# KiCad board sss-opr3-v1 (1).kicad_pcb (continued)
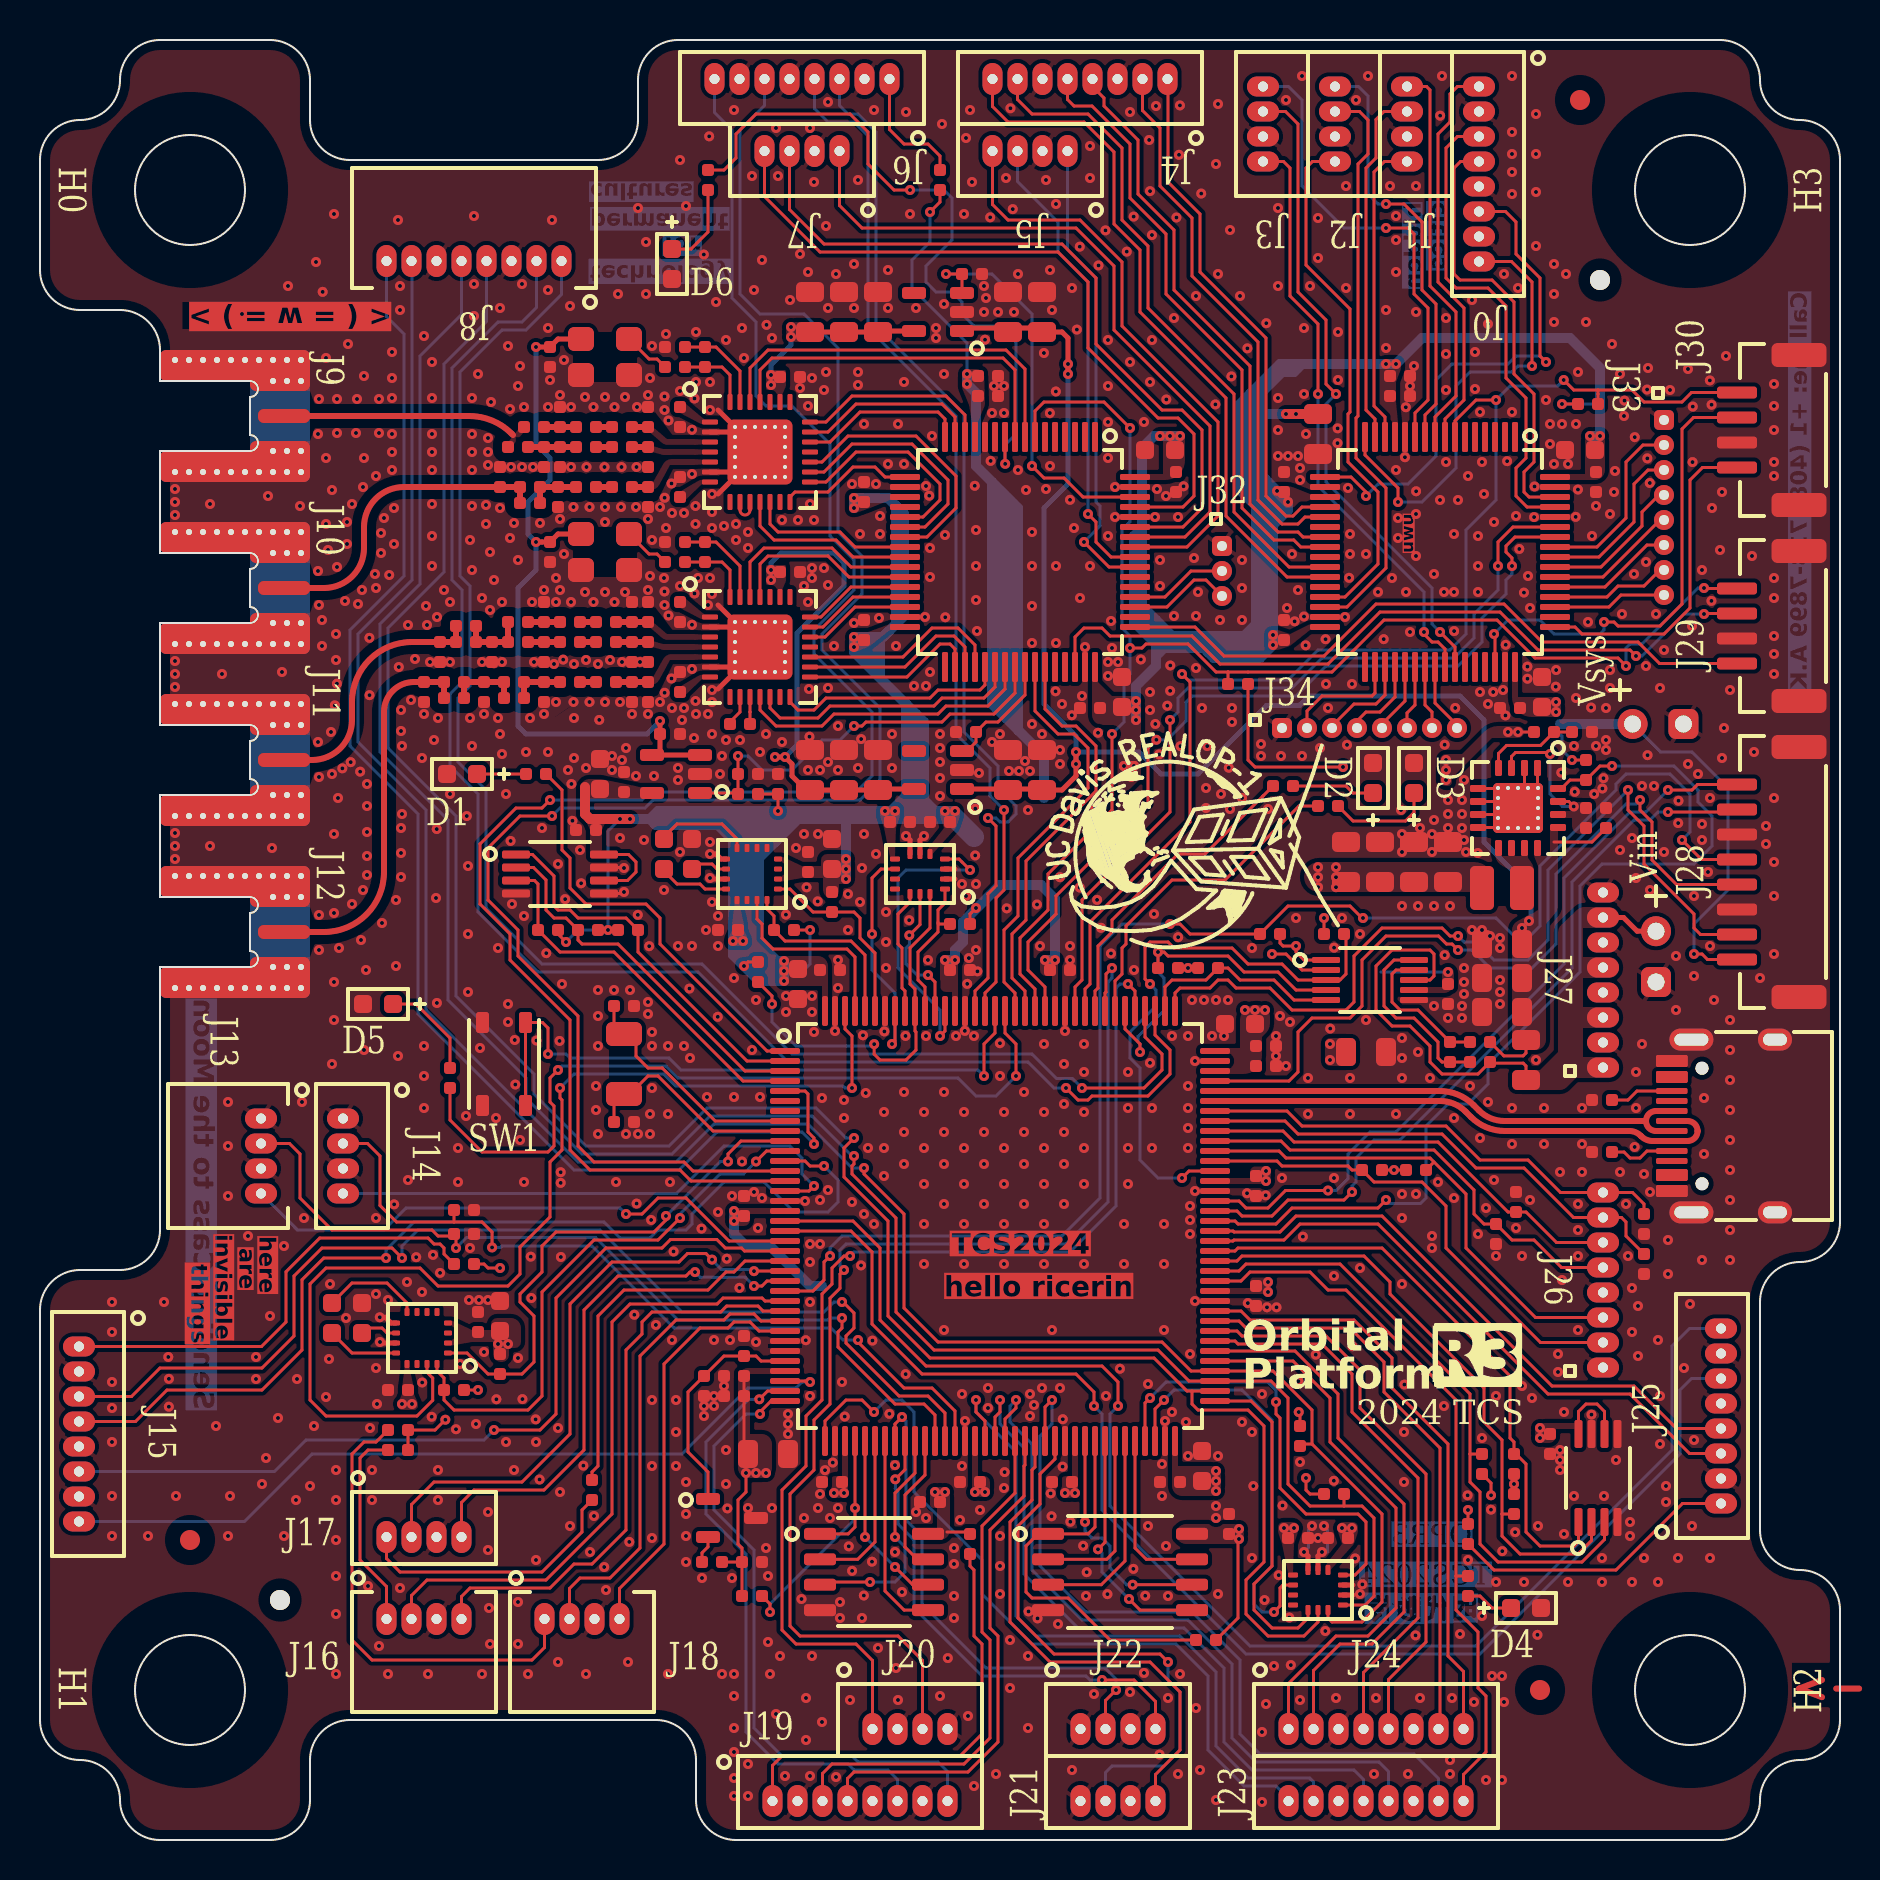
[diagram p0: board, top side]
## Routing (per net, layer and track width the routed paths; a pad name or vN(x,y) marks a point on that pad's centre or on a via; arc(x,y) is an arc through that point) (continued)
/pan5-pd0: length 23.8
  Top w0.15: U2.28 36.05,25.95 35.7,26.3 34.49,26.3 34.19,26 31.8,26 30,24.2 30,14.6 28.5,13.1 27,13.1 26.47,12.57 J18.2
/pan5-pd1: length 20.8
  Top w0.15: U2.29 35.95,25.45 35.5,25.9 34.7,25.9 34.4,25.6 33,25.6 31.2,23.8 31.2,14.8 28.97,12.57 28.97,11.05
/pg-v3v3: length 49.2
  Top w0.15: v1(78.6,53.7) 78,53.7 R59.2 76.5,53 76.08,52.58 U1.16 ; U2.91 59.75,30.95 59.9,30.8 61.8,30.8 62.6,31.6 66.9,31.6 v1(67.3,32)
  Bottom w0.15: v1(78.6,53.7) 81.7,53.7 82.9,52.5 82.9,51.9 83.6,51.2 83.6,49.7 82.7,48.8 78.1,48.8 77,47.7 77,43.4 72.4,38.8 72.4,37.8 71.4,36.8 70.4,36.8 69.3,35.7 69.3,32.1 69.02,31.82 67.47,31.82 v1(67.3,32)
/pwr-cam: length 23.9
  Top w0.15: U2.102 62.35,36.45 63.1,35.7 70.3,35.7 72,34 74.4,34 76.02,32.38 J26.8 79.62,32.38 80.2,31.8 R40.2
/pwr-hdd: length 24.6
  Top w0.15: R39.2 79.3,30.2 79.3,30.9 79.07,31.12 J26.7 76.67,31.12 74.2,33.6 71.8,33.6 70.1,35.3 62.9,35.3 62.25,35.95 U2.101
/pwr-mgt: length 21.7
  Top w0.15: J26.6 75.83,29.87 74.3,31.4 73.4,31.4 69.9,34.9 62.7,34.9 62.15,35.45 U2.100
/pwr-pyro: length 22.7
  Top w0.15: U2.99 62.05,34.95 62.5,34.5 69.7,34.5 71.7,32.5 71.7,31.3 72.2,30.8 R42.2 73.6,30 74.7,30 76.08,28.62 J26.5
/pwrdiag-scl: length 24.4
  Top w0.15: J26.2 75.02,24.87 70.3,29.6 70.3,31.7 69.1,32.9 66.7,32.9 R33.1 65.6,33.5 65.4,33.7 62.1,33.7 61.85,33.95 U2.97
/pwrdiag-sda: length 25
  Top w0.15: U2.98 61.95,34.45 62.3,34.1 69.5,34.1 71.3,32.3 71.3,29.6 74.77,26.12 J26.3 78.12,26.1 ; R34.1 69.7,33.9
/pwrmon-alm: length 29
  Top w0.15: v1(57.1,33.1) 57.45,33.45 U2.96 ; v1(55.5,42.8) 55.25,43.05 55.25,44.65 55.5,44.9 56.4,44.9 56.7,44.6 59.6,44.6 60.4,43.8 62.1,43.8 62.9,43 U12.3 65,43 65.3,43.3 65.3,45.2 R31.1
  Bottom w0.15: v1(55.5,42.8) 55.8,42.5 55.8,41.7 54.5,40.4 54.5,39.1 55,38.6 55,34 55.9,33.1 v1(57.1,33.1)
/pwrmon-scl: length 10.3
  Top w0.15: U12.5 62.7,42 61.7,43 60,43 59.4,43.6 R29.1 58.3,43 56.6,43 56.25,42.65 U2.110
/pwrmon-sda: length 18.2
  Top w0.15: 55.9,43.7 R30.1 v1(55.9,44.4) 56.2,44.4 56.4,44.2 59.4,44.2 60.2,43.4 61.9,43.4 62.8,42.5 U12.4 ; v1(55,39.4) 55,39.8 54.25,40.55 U2.114
  Bottom w0.15: v1(55.9,44.4) 55.9,43.4 56.2,43.1 56.2,41.48 54.9,40.17 54.9,39.9 55,39.8 v1(55,39.4)
/pyro0-fire: length 44
  Top w0.15: v1(20.8,29.6) 20.8,30.2 R44.2 20.6,30.2 19.9,30.2 19.6,30.5 14.6,30.5 13,32.1 13,34.3 12.47,34.83 J13.2 ; U2.48 44.75,21.25 44.2,21.8 42.75,21.8 39.9,24.65 39.9,25.4 40.1,25.6 v1(40.1,26.1)
  Bottom w0.15: v1(40.1,26.1) 39.5,26.1 39.4,26 31.9,26 27.77,30.13 21.33,30.13 v1(20.8,29.6)
/pyro0-isen: length 28.8
  Top w0.15: U2.20 34.45,29.95 32.3,32.1 30.9,32.1 30.1,31.3 v1(29.3,31.3)
  Bottom w0.15: J13.4 12.88,30.5 17.2,30.5 18.3,31.6 29,31.6 v1(29.3,31.3)
/pyro1-fire: length 40.3
  Top w0.15: J14.2 16.38,34.83 17,34.2 17,31.72 17.82,30.9 22.1,30.9 22.6,30.4 v1(22.6,29.63) ; R43.2 20.7,30.9 ; v1(40.9,25) 40.9,24.9 43.2,22.6 44.6,22.6 45.75,21.45 U2.50
  Bottom w0.15: v1(22.6,29.63) 23.03,29.63 23.1,29.7 27.6,29.7 31.7,25.6 39.55,25.6 40.15,25 v1(40.9,25)
/pyro1-isen: length 27.4
  Top w0.15: v1(38.7,32.7) 38.45,32.45 U2.15
  Bottom w0.15: J14.4 31.82,32.33 34.2,34.7 37.5,34.7 38.1,34.1 38.1,33.3 v1(38.7,32.7)
/rad0-adc1: length 18.2
  Top w0.15: U11.9 48.75,73.5 48.15,74.1 36.6,74.1 36,73.5 U10.25
/rad0-adc2: length 19.6
  Top w0.15: U11.8 49.25,73.55 48.3,74.5 36.4,74.5 35.5,73.6 U10.26
/rad0-ants: length 9.8
  Top w0.15: U10.21 39.3,70.9 40.6,72.2 45.3,72.2 46.25,71.25 U11.14
/rad0-data: length 9.1
  Top w0.15: U11.25 40.65,64.15 39.8,65 36.7,65 36,65.7 U10.11
/rad0-dclk: length 8.3
  Top w0.15: U11.24 40.75,64.65 40,65.4 36.9,65.4 36.5,65.8 U10.12
/rad0-irq: length 8.4
  Top w0.15: U11.16 45.25,71.05 44.9,71.4 41,71.4 39.5,69.9 U10.19
/rad0-miso: length 12.1
  Top w0.15: U10.16 39.2,68.4 40.6,69.8 43.6,69.8 45.4,68 45.4,66.8 44.25,65.65 U11.22
/rad0-mosi: length 13.4
  Top w0.15: U11.23 44.35,65.15 45.8,66.6 45.8,68.2 43.8,70.2 40.4,70.2 39.1,68.9 U10.17
/rad0-ncs: length 6.8
  Top w0.15: U10.14 37.5,67.15 37.75,67.4 39.4,67.4 40.65,68.65 41.75,68.65 42.25,68.15 U11.17
/rad0-pamp: length 9.1
  Top w0.15: U11.15 45.75,71.15 45.1,71.8 40.8,71.8 39.4,70.4 U10.20
/rad0-sck: length 10.7
  Top w0.15: U11.21 44.15,66.15 45,67 45,67.8 43.4,69.4 40.8,69.4 39.3,67.9 U10.15
/rad1-adc1: length 9.5
  Top w0.15: U15.25 36,63.8 36.4,64.2 39.4,64.2 40.45,63.15 U11.27
/rad1-adc2: length 10.2
  Top w0.15: U11.26 40.55,63.65 39.6,64.6 36.2,64.6 35.5,63.9 U15.26
/rad1-ants: length 5.4
  Top w0.15: U15.21 39.05,61.15 40.55,62.65 U11.28
/rad1-data: length 15.1
  Top w0.15: U15.11 36,56.5 36.8,55.7 39.1,55.7 39.7,56.3 44.9,56.3 45.3,56.7 47.4,56.7 48.25,57.55 U11.39
/rad1-dclk: length 13.6
  Top w0.15: U11.38 47.75,57.65 47.2,57.1 45.1,57.1 44.7,56.7 39.5,56.7 38.9,56.1 37,56.1 36.5,56.6 U15.12
/rad1-irq: length 5.4
  Top w0.15: U11.30 40.75,61.65 39.25,60.15 U15.19
/rad1-miso: length 9.6
  Top w0.15: U11.35 46.25,59.65 45.7,60.2 44.8,60.2 43.25,58.65 U15.16
/rad1-mosi: length 10.3
  Top w0.15: U11.36 46.75,59.75 45.9,60.6 44.6,60.6 43.15,59.15 U15.17
/rad1-ncs: length 11.6
  Top w0.15: U11.37 47.25,57.75 47,57.5 44.9,57.5 44.5,57.1 39.3,57.1 38.7,56.5 37.9,56.5 37.5,56.9 U15.14
/rad1-pamp: length 5.4
  Top w0.15: U11.29 40.65,62.15 39.15,60.65 U15.20
/rad1-sck: length 8.9
  Top w0.15: U11.34 45.75,59.55 45.5,59.8 45,59.8 43.35,58.15 U15.15
/radaux0-gp0: length 23.6
  Top w0.15: U11.55 53.45,63.65 v1(52.2,64.9)
  Bottom w0.15: J5.1 51.38,79.53 52.8,78.1 52.8,66.9 53,66.7 53,65.7 v1(52.2,64.9)
/radaux0-gp1: length 23.4
  Top w0.15: v1(52.4,66.3) 52.8,65.9 52.8,64.9 53.55,64.15 U11.56
  Bottom w0.15: J5.3 48.88,82.92 50.9,80.9 50.9,79.4 52.4,77.9 v1(52.4,66.3)
/radaux0-gp2: length 29.8
  Top w0.15: J5.4 47.62,81.78 48.4,81 52,81 54.1,78.9 54.1,75.7 58.9,70.9 58.9,66.2 57.35,64.65 U11.57
/radaux1-gp0: length 36.3
  Top w0.15: U11.58 57.25,65.15 58.5,66.4 58.5,70.7 53.7,75.5 53.7,78.7 51.8,80.6 41.1,80.6 39.97,81.73 J7.1
/radaux1-gp1: length 37.7
  Top w0.15: J7.3 37.47,81.53 39.2,79.8 51.1,79.8 52.8,78.1 52.8,74.8 56.1,71.5 57.1,71.5 58.1,70.5 58.1,66.6 57.15,65.65 U11.59
/radaux1-gp2: length 36.9
  Top w0.15: U11.61 57.15,66.65 57.7,67.2 57.7,70.3 56.9,71.1 55.9,71.1 52.4,74.6 52.4,77.9 50.9,79.4 39,79.4 36.22,82.17 J7.4
/tmp0-alm: length 18.9
  Top w0.15: 23.8,47.98 24.72,47.98 24.9,47.8 R25.1 26,44.4 28.7,44.4 35.15,37.95 U2.4
/tmp0-scl: length 18.8
  Top w0.15: U19.2 24.67,48.62 25.3,48 25.3,46.5 25.7,46.1 26.3,46.1 R32.1 26.9,45 27.1,44.8 28.9,44.8 35.25,38.45 U2.3
/tmp0-sda: length 19.2
  Top w0.15: U2.2 35.35,38.95 29.9,44.4 R27.1 29.3,46.1 26.9,46.1 26.5,46.5 25.9,46.5 25.7,46.7 25.7,48.2 24.62,49.28 23.8,49.28
/tmp1-alm: length 31.8
  Top w0.15: 71.5,19.3 71.5,17.9 72,17.4 72,14.8 72.9,13.9 77.1,13.9 78.22,15.03 U18.3 ; 71.5,19.3 R38.1 ; 71.5,19.3 71.5,22.3 65,28.8 60.3,28.8 59.95,28.45 U2.86
/tmp1-scl: length 31.1
  Top w0.15: U18.2 77.57,14.97 76.9,14.3 74,14.3 73.1,15.2 73.1,16.3 ; R36.1 73.1,16.3 ; 73.1,16.3 73.1,20 72.2,20.9 72.2,22.6 67.5,27.3 67.5,27.9 66.2,29.2 60.1,29.2 59.85,28.95 U2.87
/tmp1-sda: length 29.6
  Top w0.15: U18.1 76.92,14.93 76.7,14.7 75,14.7 74.3,15.4 74.3,18.8 73.8,19.3 R37.1 73.7,19.9 73.5,20.1 73.5,23.2 67.1,29.6 59.9,29.6 59.75,29.45 U2.88
/usb-dm: length 26.6
  Top w0.3: U2.103 70,36.95 arc(70.69,36.81) 71.28,36.42 71.55,36.15 arc(72.33,35.63) 73.24,35.45 79.47,35.45 arc(79.77,35.39) 80.03,35.22 80.07,35.18 arc(80.33,35.01) 80.63,34.95 J38.B7 82.38,34.95 arc(82.73,35.1) 82.88,35.45 arc(82.73,35.8) 82.38,35.95 J38.A7
/usb-dp: length 25.1
  Top w0.3: J38.B6 80.8,36.45 arc(80.45,36.3) 80.3,35.95 ; 80.3,35.95 73.22,35.95 arc(72.53,36.09) 71.95,36.48 71.68,36.75 arc(70.9,37.27) 69.98,37.45 U2.104 ; 80.3,35.95 arc(80.45,35.6) 80.8,35.45 J38.A6
Net-(C11-Pad1): length 2.6
  Top w0.3: L4.1 C11.1 L8.1
Net-(C12-Pad1): length 1.6
  Top w0.3: L5.1 L3.1
Net-(C13-Pad2): length 2.4
  Top w0.3: L6.1 C9.1
Net-(C17-Pad2): length 0.8
  Top w0.3: C17.2 L5.2
Net-(C18-Pad2): length 0.8
  Top w0.3: C18.2 L6.2
Net-(C20-Pad2): length 0.8
  Top w0.3: C20.2 L8.2
Net-(C86-Pad1): length 1.6
  Top w0.3: L15.1 C86.1
Net-(C86-Pad2): length 3.4
  Top w0.3: L18.1 C94.1 C86.2 L13.2
Net-(C87-Pad1): length 1.6
  Top w0.3: L13.1 L14.1
Net-(C89-Pad2): length 0.8
  Top w0.3: C89.2 L14.2
Net-(C90-Pad2): length 0.8
  Top w0.3: L15.2 C90.2
Net-(C96-Pad2): length 0.8
  Top w0.3: C96.2 L21.2
Net-(C97-Pad1): length 2.6
  Top w0.3: L22.1 C97.1 L21.1
Net-(C100-Pad1): length 3.6
  Top w0.3: L22.2 C97.2 C98.1 L23.1
Net-(D1-A): length 2.5
  Top w0.15: R3.1 D1.2
Net-(D2-A): length 4.1
  Top w0.15: R45.1 65.3,52.7 65.65,52.35 D2.2
Net-(D3-A): length 5.3
  Top w0.15: R46.1 65.65,50.95 68.27,50.95 68.7,51.38 D3.2
Net-(D4-A): length 2.4
  Top w0.15: D4.2 72.6,11.6 72,12.2 R47.1
Net-(D5-A): length 5.1
  Top w0.15: R49.1 20.5,40.1 18.8,41.8 D5.2
Net-(D6-A): length 4.3
  Top w0.15: D6.2 32.55,79.55 33.4,80.4 R48.1
Net-(J6-Pin_1): length 6.3
  Top w0.15: J6.1 42.47,85.53 43.2,84.8 44.4,84.8 45,84.2 R8.1
Net-(J9-In): length 11.7
  Top w0.3: J9.1 21.46,71.2 arc(22.61,70.97) 23.58,70.32 23.65,70.25
Net-(J10-In): length 15.9
  Top w0.3: L4.2 C11.2 C10.2 18.2,67.65 arc(16.79,67.06) 16.2,65.65 16.2,64.6 arc(15.61,63.19) 14.2,62.6 J10.1
Net-(J11-In): length 13.2
  Top w0.3: J11.1 13.6,54 arc(15.01,54.59) 15.6,56 15.6,56.9 arc(16.48,59.02) 18.6,59.9 C94.2 L18.2
Net-(J12-In): length 19.4
  Top w0.3: L23.2 C98.2 C101.1 18.7,57.9 arc(17.64,57.46) 17.2,56.4 17.2,48.4 arc(16.32,46.28) 14.2,45.4 J12.1
Net-(J15-Pin_1): length 23.2
  Top w0.15: J15.1 11.07,24.68 12.3,25.9 12.3,28.41 13.99,30.1 19.4,30.1 19.7,29.8 20,29.8 20.2,29.6 20.2,29.3 R21.1
Net-(J16-Pin_1): length 10.2
  Top w0.15: J16.1 17.32,12.68 16,14 16,19.1 16.4,19.5 R26.1
Net-(J17-Pin_1): length 13.8
  Top w0.15: J17.1 17.32,14.07 18,13.4 25.1,13.4 27.1,15.4 27.1,16.5 R35.2
Net-(J18-Pin_1): length 23.3
  Top w0.15: R24.1 16.8,19.9 16.2,19.9 15.6,19.3 15.6,10 16.6,9 24.6,9 25.22,9.62 J18.1
Net-(J19-Pin_1): length 22.2
  Top w0.15: R22.1 46.5,13.7 46.7,13.5 46.7,10.2 47.1,9.8 47.1,5.3 46,4.2 37.1,4.2 36.62,3.72 J19.1
Net-(J25-Pin_1): length 14.6
  Top w0.15: J25.1 82.12,16.82 78.8,13.5 72.7,13.5 R23.1
Net-(J33-Pin_2): length 9.2
  Top w0.15: U7.57 77.85,64.65 79.3,66.1 79.3,68.9 80.15,69.75 J33.2
Net-(J33-Pin_3): length 8.4
  Top w0.15: J33.3 80.4,68.5 79.7,67.8 79.7,65.9 77.95,64.15 U7.56
Net-(J33-Pin_4): length 7.4
  Top w0.15: J33.4 80.95,67.25 80.1,66.4 80.1,65.7 78.05,63.65 U7.55
Net-(J33-Pin_5): length 6.6
  Top w0.15: U7.54 78.15,63.15 81,66 J33.5
Net-(J33-Pin_6): length 6.3
  Top w0.15: U7.53 78.25,62.65 80.35,64.75 J33.6
Net-(J33-Pin_7): length 6
  Top w0.15: J33.7 81,63.5 80.2,62.7 78.9,62.7 78.35,62.15 U7.52
Net-(J33-Pin_8): length 5.7
  Top w0.15: U7.51 78.45,61.65 79.05,62.25 J33.8
Net-(J34-Pin_2): length 5.9
  Top w0.15: U7.34 66.75,57.35 66.6,57.2 64.1,57.2 63.35,56.45 J34.2
Net-(J34-Pin_3): length 4.8
  Top w0.15: U7.35 67.25,57.25 66.8,56.8 65.7,56.8 64.6,55.7 J34.3
Net-(J34-Pin_4): length 4.2
  Top w0.15: U7.36 67.75,57.15 67,56.4 66.3,56.4 65.85,55.95 J34.4
Net-(J34-Pin_5): length 3.5
  Top w0.15: J34.5 67.1,55.8 68.25,56.95 U7.37
Net-(J34-Pin_6): length 3.2
  Top w0.15: U7.38 68.75,56.75 68.35,56.35 J34.6
Net-(J34-Pin_7): length 3.2
  Top w0.15: U7.39 69.25,56.75 69.6,56.4 J34.7
Net-(J34-Pin_8): length 3.5
  Top w0.15: U7.40 69.75,56.85 70.85,55.75 J34.8
Net-(J38-CC1): length 3.3
  Top w0.15: R12.1 79.2,34.4 79.5,34.1 80,34.1 80.35,34.45 J38.A5
Net-(J38-CC2): length 3.2
  Top w0.15: R13.1 79.4,37 79.85,37.45 J38.B5
Net-(SW1-A): length 32.4
  Top w0.15: SW1.1 SW1.1 25.12,40.88 25.4,40.6 v1(25.4,39.3) ; U2.127 47.75,40.35 47.2,39.8 v1(47.2,38.2)
  Bottom w0.15: v1(25.4,39.3) 26.3,39.3 26.5,39.1 31.45,39.1 32.05,38.5 46.9,38.5 v1(47.2,38.2)
Net-(U1-EN): length 6.9
  Top w0.15: U1.3 73.58,54.17 73.77,54.37 75.43,54.37 v1(75.5,54.3) ; 75.9,51.92 76.44,51.92 v1(76.69,51.68)
  Bottom w0.15: v1(75.5,54.3) 75.5,52.3 76.12,51.68 v1(76.69,51.68)
Net-(U1-FB): length 4.8
  Top w0.15: U1.4 72.92,54.32 73.33,54.73 75.03,54.73 R1.1 R2.2
Net-(U2-PC14): length 11.9
  Top w0.15: U2.8 33.76,35.95 31.11,38.6 30.4,38.6 29.8,39.2 29.8,39.95 29.45,40.3 Y1.1 28.7,40.8 C7.1
Net-(U2-PC15): length 11.2
  Top w0.15: U2.9 33.65,35.45 30.9,38.2 30.4,38.2 29.5,37.3 Y1.2 28.7,36.8 C8.1
Net-(U2-PG11): length 39.1
  Top w0.15: R49.2 20.5,36 22.1,34.4 25.4,34.4 25.7,34.7 25.7,36.7 25.5,36.9 25.5,38.1 v1(25.9,38.5) ; v1(48.8,38.2) 48.8,39.8 48.25,40.35 U2.126
  Bottom w0.15: v1(25.9,38.5) 26.1,38.7 31.3,38.7 31.9,38.1 45.9,38.1 46.8,37.2 47.8,37.2 v1(48.8,38.2)
Net-(U4-C1): length 1.9
  Top w0.15: C19.1 32.85,48.8 33.6,48.8 33.85,48.55 U4.10
Net-(U4-SETC): length 3.6
  Top w0.15: 31.1,48.55 31.85,47.8 33,47.8 33.25,47.55 U4.12
Net-(U4-SETP): length 4.8
  Top w0.15: U4.8 34.85,50.05 34.1,50.8 31.85,50.8 31.1,50.05
Net-(U8-C1): length 1.9
  Top w0.15: C64.1 16.35,25.6 17.1,25.6 17.35,25.35 U8.10
Net-(U8-SETC): length 3.6
  Top w0.15: U8.12 15.6,24.35 C63.1
Net-(U8-SETP): length 5
  Top w0.15: C63.2 15.6,27.85 17.35,27.85 18.35,26.85 U8.8
Net-(U10-ANTN): length 0.8
  Top w0.3: L10.1 C18.1
Net-(U10-ANTP1): length 0.8
  Top w0.3: L11.1 C20.1
Net-(U10-ANTP): length 0.8
  Top w0.3: L9.2 C17.1
Net-(U10-CLK16N): length 4.8
  Top w0.15: U10.27 35,73.45 33.8,74.65 R5.2 C29.1
Net-(U10-CLK16P): length 3.8
  Top w0.15: U10.28 34.5,73.25 34.1,73.65 R5.1 C28.1
Net-(U10-L1): length 1.6
  Top w0.15: U10.9 35,66.5 arc(35.25,66.25) 35.5,66.5 U10.10
Net-(U11-PC2): length 35.2
  Top w0.15: v1(43.5,82.5) 42.7,82.5 41.4,83.8 41.4,85.4 40.5,86.3 35.8,86.3 34.8,85.3 34.8,84.1 34.2,83.5 R48.2 ; U11.10 48.25,68.82 v1(48.26,68.81)
  Bottom w0.15: v1(43.5,82.5) 45.2,82.5 45.6,82.1 45.6,80 44.3,78.7 44.3,77.9 44.8,77.4 45.6,77.4 46.1,76.9 46.1,76.3 46.7,75.7 48,75.7 48.8,74.9 48.8,70.3 48.26,69.76 v1(48.26,68.81)
Net-(U12-INN): length 7.3
  Top w0.15: R15.2 C32.2 68.9,41.5 68,41.5 67.6,41.9 67.6,43.3 67.8,43.5 U12.9
Net-(U12-INP): length 9.4
  Top w0.15: U12.10 67.7,44 67.2,43.5 67.2,41.7 67.8,41.1 68.7,41.1 69.9,39.9 69.9,39.1 70.1,38.9 C32.1 R28.2
Net-(U13-K): length 1.4
  Top w0.15: R19.1 33.1,14.36 33.4,14.66 U13.2
Net-(U13-REF): length 11.8
  Top w0.15: 33.75,17.05 U13.1 33.4,18.4 32.4,19.4 32.4,22.4 C60.1 34.2,24.2 C59.1 35.8,24.2 36.05,23.95 U2.32
Net-(U15-ANTN): length 1.6
  Top w0.3: L17.1 C90.1
Net-(U15-ANTP1): length 1.6
  Top w0.3: L20.1 C96.1
Net-(U15-ANTP): length 1.6
  Top w0.3: L16.2 C89.1
Net-(U15-CLK16N): length 4.8
  Top w0.15: U15.27 35,63.7 33.8,64.9 R7.2 C78.1
Net-(U15-CLK16P): length 3.8
  Top w0.15: C77.1 R7.1 34.1,63.9 34.5,63.5 U15.28
Net-(U15-L1): length 1.4
  Top w0.15: L19.2 U15.10
Net-(U15-L2): length 1.6
  Top w0.15: U15.9 35,56.4 34.5,55.9 L19.1
Net-(Y2-OUT): length 2.4
  Top w0.15: C28.2 30.85,74.05 30.45,74.05 Y2.3
Net-(Y3-OUT): length 2.4
  Top w0.15: C77.2 30.85,64.3 30.45,64.3 Y3.3

## Copper pours and planes (outline as drawn; the poured copper is in the pictures)
/v3v3 on Top: 27.05,53.05 27.05,52.05 31.2,52.05 31.2,52.65 30,52.65 28.05,53.05
/v3v3 on Top: 55.05,57.2 55.05,53.1 54.4,52.45 53.85,52.45 53.85,54.75 53.65,55.75 52.6,55.75 52.6,59.4 52.9,59.4 52.9,57.9 53.6,57.2
/v3v3 on Top: 76.75,21 76.75,20.85 74.75,20.85 74.75,19.85 75.8,19.85 75.8,20.55 76.75,20.55 76.75,19.65 77.1,19.65 77.1,21
/v3v3 on Top: 58,27.3 61.55,27.3 61.55,28.2 60.5,28.2 60.5,27.6 58,27.6
/v3v3 on Top: 22.65,24.9 21.6,24.9 20.6,24.72 20.2,24.72 20.2,24.97 20.6,24.97 20.6,25.72 20.2,25.72 20.2,25.97 20.6,25.97 21.6,25.5 22.55,25.5 22.55,26.1 24.05,26.1 24.05,24.6 23.45,24.6 23.45,23.9 22.65,23.9
/v3v3 on Top: 38,31.6 34.45,31.6 34.45,30.7 35.5,30.7 35.5,31.3 38,31.3
/v3v3 on Top: 50.9,40.7 50.9,44.25 50,44.25 50,43.2 50.6,43.2 50.6,40.7
/v3v3 on Top: 61.6,67.7 61.6,67.2 62.2,66.6 62.6,66.6 63.5,67 65,67 65,67.3 63.5,67.3 62.5,67.7
/v3v3 on Top: 61.9,15.9 61.9,15.4 62.1,14.8 62.4,13.38 62.4,13.13 62.9,13.13 62.9,13.38 62.65,13.38 62.7,14.8 62.9,15.4 62.9,15.9
/v3v3 on Top: 39.45,17.1 40.4,17.1 40.4,20.7 40.1,20.7 40.1,18.2 39.45,18.2
/v3v3 on Top: 35.4,44.7 35.4,45.05 35.2,45.5 35.2,45.8 34.97,46.8 34.97,47.2 34.72,47.2 34.72,46.8 34.6,45.8 34.6,45.5 34.4,45.05 34.4,44.7
/v3v3 on Top: 45,51.7 45,51.2 45.2,50.6 44.38,49.55 44.38,49.05 44.62,49.05 44.62,49.3 45.8,50.6 46,51.2 46,51.7
/v3v3 on Top: 39.15,48.1 38.1,48.1 37.1,47.92 36.7,47.92 36.7,48.17 37.1,48.17 37.1,48.92 36.7,48.92 36.7,49.17 37.1,49.17 38.1,48.7 39.05,48.7 39.05,49.3 40.55,49.3 40.55,47.8 39.95,47.8 39.95,47.1 39.15,47.1
/v3v3 on Top: 70,52.7 70,54.3 71.1,54.3 72.5,55.7 74.2,55.7 74.2,55.1 72.6,55.1 70.6,53.1 70.6,52.7
/v3v3 on Top: 40.45,60.4 40.45,59.4 40.8,59.4 41.5,59.7 42.5,60.5 44,60.5 44,60.8 42.5,60.8 41.4,60.4
/v3v3 on Top: 44.5,17.65 44.5,16.6 44.85,16.6 44.85,15.6 43.6,15.6 43.6,15 45.5,15 45.5,17.65
/v3v3 on Top: 58,32.8 61.55,32.8 61.55,33.7 60.5,33.7 60.5,33.1 58,33.1
/v3v3 on Top: 64.9,15.9 64.9,15.4 65.1,14.8 64.27,13.75 64.27,13.25 64.52,13.25 64.52,13.5 65.7,14.8 65.9,15.4 65.9,15.9
/v3v3 on Top: 60,41.75 60,39.6 58,39.6 58,39.3 59.55,39.3 59.55,38.6 58,38.6 58,38.3 61.1,38.3 61.1,40.15 61.5,40.55 61.5,41.75
/v3v3 on Top: 27.3,51.3 27.3,50.95 27.5,50.5 27.5,49.2 28.1,49.2 28.1,50.5 28.3,50.95 28.3,51.3
/v3v3 on Top: 40.45,67.35 40.45,66.35 40.8,66.35 41.5,66.6 42.5,67 44,67 44,67.3 42.5,67.3 40.8,67.35
/v3v3 on Top: 77.25,70.45 77.25,68.3 75,68.3 75,68 78.25,68 78.25,70.45
/v3v3 on Top: 76.05,57.15 73.9,57.15 73.9,59.4 73.6,59.4 73.6,56.15 76.05,56.15
/v3v3 on Top: 34.9,18.1 34.9,23.6 38,23.6 38,23.3 35.5,23.3 35.5,20.3 36.6,20.3 36.6,18.1
/v3v3 on Top: 42,51.7 42,51.35 42.2,50.9 42.2,50.6 42.8,50.6 42.8,50.9 43,51.35 43,51.7
/v3v3 on Top: 36.95,44.2 36.95,42.7 39.1,42.7 39.1,40.7 39.4,40.7 39.4,44.2
/v3v3 on Top: 56.8,15.8 56.8,14.8 60.2,14.8 60.2,15.8
/v3v3 on Top: 46.1,73.55 47.2,73.55 47.25,71.75 46.9,70.9 46.9,69.4 46.6,69.4 46.6,70.9 46.45,71.75 46.1,72.6
/v3v3 on Top: 72.7,48.9 63.2,48.9 63.2,47.4 71.5,47.4 71.5,46.5 72.7,46.5
/v3v3 on Top: 45.9,40.7 45.9,44.25 45,44.25 45,42.4 45.6,42.4 45.6,40.7
/v3v3 on Top: 55.75,70.45 55.75,69.95 56.15,69.95 56.15,68.3 54,68.3 54,68 57.25,68 57.25,70.45
/v3v3 on Top: 42,51.7 42,51.2 42.2,50.6 42.5,49.18 42.5,48.93 43,48.93 43,49.18 42.75,49.18 42.8,50.6 43,51.2 43,51.7
/v3v3 on Top: 18.9,21.5 18.9,21.85 18.7,22.3 18.7,22.6 18.47,23.6 18.47,24 18.22,24 18.22,23.6 18.1,22.6 18.1,22.3 17.9,21.85 17.9,21.5
/v3v3 on Top: 46.6,20.7 46.6,17.15 47.5,17.15 47.5,18.2 46.9,18.2 46.9,20.7
/v3v3 on Top: 64.25,40.1 64.25,38.7 65.8,38.7 65.8,40.1
/v3v3 on Top: 59.05,17.2 59.05,18.7 56.9,18.7 56.9,20.7 56.6,20.7 56.6,17.2
/v3v3 on Top: 66.9,74.05 66.9,71.9 67.6,70.9 67.6,69.4 67.9,69.4 67.9,70.9 67.8,71.9 67.8,72.9 68.05,73.55 68.05,74.05
/v3v3 on Top: 68,42.65 68,42.35 70.7,42.35 70.7,43.65 70.1,43.65 70.1,42.65
/v3v3 on Top: 51.6,20.7 51.6,18.2 51,18.2 51,17.1 51.9,17.1 51.9,20.7
/v3v3 on Top: 61.4,60.5 61.4,59.5 61.9,59.5 62.5,59.7 63.5,60.5 65,60.5 65,60.8 63.5,60.8 62.5,60.3 61.9,60.5
/v3v3 on Bottom: 47.25,48.9 47.25,47.35 46.8,46.9 47.15,46.55 48.1,47.5 50.3,47.5 50.3,48.1 50.8,48.6 55.5,48.6 57.1,47 57.1,42.5 59.9,42.5 59.9,38 58.3,38 58.3,30.3 56,28 37.85,28 38.55,27.3 40.1,27.3 40.1,24.7 31,24.7 26.9,28.8 21.6,28.8 17.7,24.9 17.7,21 21.1,21 22.6,22.5 34.9,22.5 34.9,17.1 41.5,17.1 41.5,21.4 43.9,21.4 43.9,17 47.7,17 47.7,18.8 45.8,20.7 45.8,23.1 50.9,23.1 50.9,17 52.9,17 52.9,22.4 53.7,22.4 53.7,16.8 54.3,16.2 55.5,16.2 57.2,14.5 60.2,14.5 60.2,20.4 56.1,20.4 56.1,23.2 61.9,23.2 61.9,14.5 72.2,14.5 75.3,17.6 75.3,21.2 67.6,21.2 67.6,52.7 70.8,52.7 70.8,54.3 65.3,54.3 62,51 55.5,51 54.95,51.55 54.95,54.05 49.95,54.05 49.95,50.7 46.85,50.7 46.2,51.35 45.5,50.65
/v3v3 on Bottom: 73.1,55.7 73.1,55.1 76.3,55.1 76.3,57.2 75.5,57.2 74,55.7
/v3v3rad0 on Top: 36.3,72.5 36.3,73.5 37.3,73.5 37.3,72.7 37.12,72.3 37.12,71.5 36.88,71.5 36.88,72.3
/v3v3rad0 on Top: 37.3,75.9 37.3,74.9 39.2,74.9 39.2,75.9
/v3v3rad1 on Top: 36.3,62.75 36.3,63.75 37.3,63.75 37.3,62.95 37.12,62.55 37.12,61.75 36.88,61.75 36.88,62.55
/vbat on Top: 73.6,39.5 73.6,45.8 74.9,46.5 74.9,48.7 74.7,49.2 74.7,50 75.05,50 75.05,49.2 75.5,49.2 75.5,50.8 76.3,50.8 76.3,50.45 75.9,50.45 75.9,46.5 75.3,45.8 75.3,39.5
/vbat-con on Top: 78.95,46.65 77,46.65 75.9,45.6 75.9,39.4 75,38.5 73.6,38.5 73.6,37.5 76.2,37.5 76.8,38.1 78.95,38.1 78.95,39.15 77.15,39.15 77.15,40.6 78.95,40.6 78.95,41.65 77.15,41.65 77.15,43.1 78.95,43.1 78.95,44.15 77.15,44.15 77.15,45.6 78.95,45.6
GND on Top: 13.45,70.15 13.45,72 23,72 23,71.65 30.25,71.65 30.75,71.4 31.7,70.15 31.7,68.65 30.85,66.9 30.85,66.65 26.85,66.65 25.75,65.9 17,65.9 17,62.2 15.25,62.2 15.25,61.7 13.6,61.7 13.6,63.65 15.15,63.65 15.15,70.15
GND on Top: 13.65,46.1 13.8,46.1 13.8,53.05 13.65,53.05 13.65,54.7 13.8,54.7 13.8,55.85 14.9,55.85 14.9,61.9 30.25,61.9 30.75,61.65 31.7,60.4 31.7,58.9 30.85,57.15 30.85,56.9 26.85,56.9 25.75,56.15 17.95,56.15 17.95,44.75 13.65,44.75
GND on Top, Bottom, In1.Cu, In2.Cu: 0,90 90,90 90,0 0,0
Net-(C21-Pad1) on Top: 31.7,67.45 32.05,67.45 33.02,68.03 33.9,68.03 33.9,67.78 33.07,67.78 32.3,67.03 32.3,66.85 31.7,66.85
Net-(C82-Pad1) on Top: 31.7,71.95 32.17,71.95 32.3,71.8 33.22,71.03 33.9,71.03 33.9,70.78 33.1,70.78 32,71.35 31.7,71.35
Net-(C83-Pad1) on Top: 31.7,62.2 32.17,62.2 32.3,62.05 33.22,61.28 33.9,61.28 33.9,61.03 33.1,61.03 32,61.6 31.7,61.6
Net-(C84-Pad1) on Top: 31.7,57.7 32.05,57.7 33.02,58.28 33.9,58.28 33.9,58.03 33.07,58.03 32.3,57.28 32.3,57.1 31.7,57.1
Net-(J9-In) on Top: 23.3,69.75 24.02,70.67 24.27,70.5 23.98,70.14 23.79,70.14 23.79,69.91 23.5,69.55
Net-(L1-Pad1) on Top: 74.4,50 74.4,49.1 74.7,48.7 74.7,46.5 73.5,46.5 73.5,48.5 72.75,48.9 72.75,50 73.1,50 73.1,49.2 73.4,49.2 73.4,50 73.75,50 73.75,49.2 74.05,49.2 74.05,50
Net-(U1-EN) on Top: 75.5,51.45 76.6,51.45 76.6,51.9 77.6,51.9 77.6,50.3 76.6,50.3 76.6,51.1 75.5,51.1
Net-(U10-ANTN) on Top: 30.27,69.8 31.15,69.55 32.7,69.55 33.1,69.53 33.9,69.53 33.9,69.28 33.1,69.28 32.7,69.25 31.15,69.25 30.27,69.5
Net-(U10-ANTP1) on Top: 30.1,67.8 30.6,67.8 31.3,69.05 32.7,69.05 33.1,69.03 33.9,69.03 33.9,68.78 33.1,68.78 32.7,68.75 31.5,68.75 30.82,67.5 30.1,67.5
Net-(U10-ANTP) on Top: 33.9,70.03 33.9,69.78 33.1,69.78 32.7,69.75 31.22,69.75 30.52,70.35 30.22,70.35 30.22,70.65 30.65,70.65 31.35,70.05 32.7,70.05 33.1,70.03
Net-(U15-ANTN) on Top: 30.27,60.05 31.15,59.8 32.7,59.8 33.1,59.78 33.9,59.78 33.9,59.53 33.1,59.53 32.7,59.5 31.15,59.5 30.27,59.75
Net-(U15-ANTP1) on Top: 30.1,58.05 30.6,58.05 31.3,59.3 32.7,59.3 33.1,59.28 33.9,59.28 33.9,59.03 33.1,59.03 32.7,59 31.5,59 30.82,57.75 30.1,57.75
Net-(U15-ANTP) on Top: 33.9,60.28 33.9,60.03 33.1,60.03 32.7,60 31.22,60 30.52,60.6 30.22,60.6 30.22,60.9 30.65,60.9 31.35,60.3 32.7,60.3 33.1,60.28

## Text on the board
Bottom: Call me: +1 (408) 718-7899 A.K. | Sending Cass to the Moon | OPR3 | TCS2024 | hidden | cities | cultures | permanent | technology | for | 时 | 传 | 数 | 代
B.Silkscreen: Vsys | Vin | J27 | J26 | R3 | @sbarky38 | 2024-09 TCS | Yume & Friends | Orbital | Platform | 传 | 数 | 代 | 时
User.Comments: mgt0 | mgttlm | pan1 | vhf-rx | vhf-tx | uhf-rx | uhf-tx | pyro0 1 | pan4 | batmon | cam | pan5 | pan0 | radaux1 | pan2 | aux0 | radaux0 | mgtaux | esc0 | esc1 | aux1 | aux2 | pan3 | usb | mcu1 | mcu2 | mcu0 | mgt2 | mgt1
Top: <- REMEMBER TO DELETE AND REPOUR COPPER | uwu | things | invisible | are | here | hello ricerin | TCS2024 | < ( = w = ) >
F.Silkscreen: D2 | D3 | D5 | D1 | SW1 | D6 | J32 | J34 | D4 | J17 | J16 | J18 | J19 | J20 | J22 | J24 | H3 | H2 | J21 | J23 | Vsys | Vin | J25 | J30 | J29 | J28 | J8 | J7 | J6 | J5 | J4 | J3 | J2 | J1 | J0 | H0 | H1 | J33 | J15 | J13 | J11 | J9 | J10 | J12 | J14 | J27 | J26 | 2024 TCS | Orbital | Platform | R3
